# KiCad board ButterStick.kicad_pcb (continued)
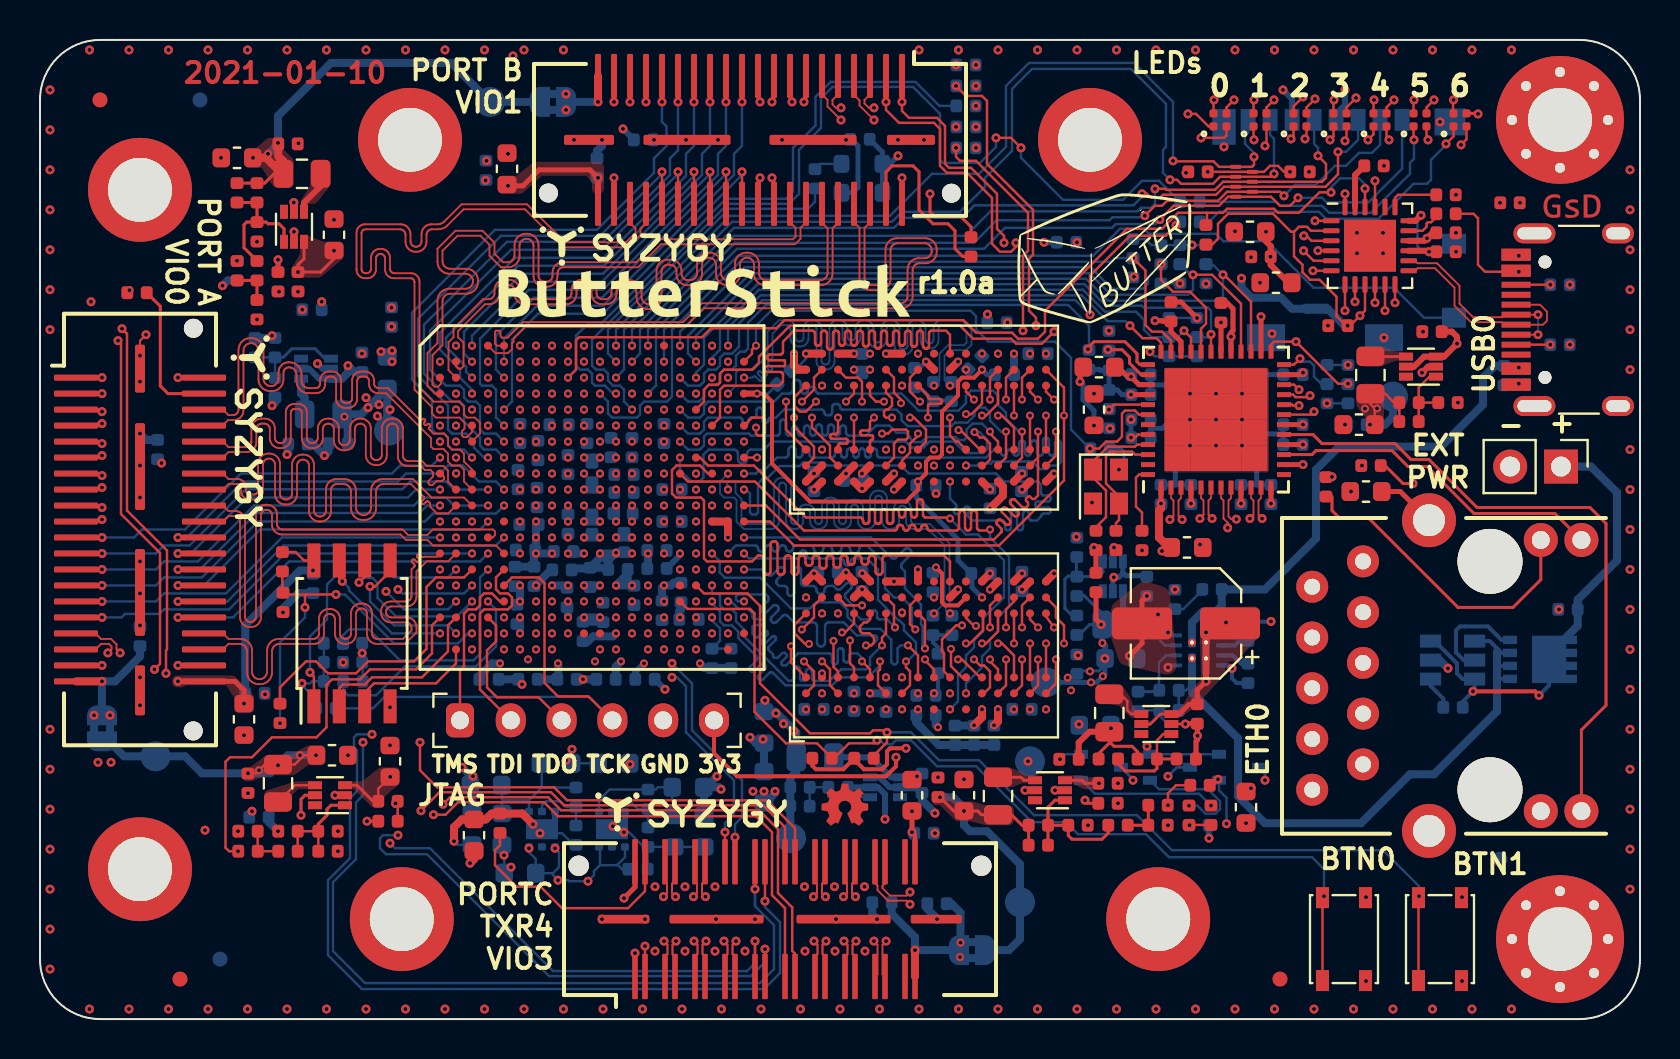
[diagram p0: board, top side]
## Routing (per net, layer and track width the routed paths; a pad name or vN(x,y) marks a point on that pad's centre or on a via; arc(x,y) is an arc through that point) (continued)
Net-(CON1-Pad15): length 32.8
  Top w0.15: 77.07,10.4 77.07,14.47 78.3,15.7 78.3,24.8 77.5,25.6 71.85,25.6 69.45,28 68.55,28 67.75,28.8 64.1,28.8 63.65,29.25 U2.17
Net-(D1-Pad1): length 13.7
  Top w0.12: D1.1 58.43,44.67 57.8,45.3 57.38,45.3 v1(57.4,45.3)
  In5.Cu w0.12: v1(46.8,46.7) 50.05,46.7 50.45,47.1 56.6,47.1 57.4,46.3 v1(57.4,45.3)
  Bottom w0.12: 46.78,46.7 v1(46.8,46.7)
Net-(D2-Pad1): length 19.7
  Top w0.12: D2.1 60.68,44.02 v1(60.7,44)
  In5.Cu w0.12: v1(60.7,44) 60.05,43.35 60.05,42.1 59.35,41.4 56.5,41.4 55.95,41.95 55,41.95 54,40.95 51.05,40.95 48.2,43.8 48.2,44.95 47.45,45.7 v1(46.8,45.7)
  Bottom w0.12: 46.78,45.7 v1(46.8,45.7)
Net-(D3-Pad1): length 19.7
  Top w0.12: D3.1 62.68,44.17 v1(62.55,44.05)
  In5.Cu w0.12: v1(46.8,47.75) 47.4,47.75 47.8,47.35 62.2,47.35 62.55,47 v1(62.55,44.05)
  Bottom w0.12: 46.78,47.75 v1(46.8,47.75)
Net-(D4-Pad1): length 21.7
  Top w0.12: v1(64.5,44) 64.68,44.17 D4.1
  In5.Cu w0.12: v1(46.8,44.65) 46.8,44.33 47.54,43.59 48.01,43.59 51,40.6 55.6,40.6 56.15,41.15 59.45,41.15 61.4,43.1 63.1,43.1 64,44 v1(64.5,44)
  Bottom w0.12: 46.78,44.65 v1(46.8,44.65)
Net-(D5-Pad1): length 23.8
  Top w0.12: v1(66.4,44) 66.68,44.27 D5.1
  In5.Cu w0.12: v1(46.8,43.6) 47.1,43.3 47.95,43.3 50.9,40.35 54.5,40.35 55.05,39.8 55.43,39.8 55.62,39.98 55.62,40.18 56.33,40.9 59.55,40.9 61.45,42.8 65.2,42.8 v1(66.4,44)
  Bottom w0.12: 46.78,43.6 v1(46.8,43.6)
Net-(D6-Pad1): length 14
  Top w0.12: D6.1 68.68,44.02 v1(68.7,44)
  Bottom w0.12: v1(68.7,44) 68.7,43.05 68.5,42.85 68.5,42.3 66.55,40.35 64.45,40.35 64.1,40.7 62,40.7 61.8,40.9 R42.2
Net-(D7-Pad1): length 15.9
  Top w0.12: D7.1 70.68,44.17 v1(70.3,43.8)
  Bottom w0.12: R44.2 58.45,39.9 58.95,40.4 63.95,40.4 64.3,40.05 66.93,40.05 68.68,41.8 69.35,41.8 69.55,42 69.55,43 70.3,43.75 v1(70.3,43.8)
Net-(J1-PadA5): length 1.6
  Top w0.12: 73.94,33.75 v1(75.51,33.75)
Net-(J1-PadB5): length 1.6
  Top w0.12: 73.94,36.75 v1(75.51,36.75)
Net-(L3-Pad1): length 2
  Bottom w0.3: U7.4 54.14,20.58 L3.1
Net-(L4-Pad1): length 2.3
  Top w0.12: U8.4 54.56,15.26 54.37,15.46 54.37,15.91 54.03,16.25 L4.1
Net-(L5-Pad1): length 1.8
  Top w0.15: L5.1 66.54,33.15 U9.4
Net-(L6-Pad1): length 1.9
  Bottom w0.4: L6.1 13.23,31.12 13.05,31.3 U10.4
Net-(L7-Pad1): length 2.2
  Top w0.12: U13.4 12.74,11.7 L7.1
Net-(L8-Pad1): length 2.6
  Top w0.15: 14.04,41.94 L8.1
  Top w0.3: L8.1 14.04,41.69 13.2,40.85 U14.4
Net-(L9-Pad1): length 2.1
  Top w0.15: U15.4 49.2,11.95 49.05,12.1 L9.1 48.05,12.25
Net-(L10-Pad1): length 3.7
  Bottom w0.3: U6.4 42.55,12.1 41.55,13.1 L10.1
Net-(Q4-Pad1): length 5.3
  Bottom w0.2: U19.5 71.19,17.96 70.8,18.35 70.8,19.45 71,19.65 72.4,19.65 73.07,18.97 73.5,18.97
Net-(R4-Pad2): length 2.6
  Top w0.12: R4.2 67.9,41.25 67.75,41.1 U1.19
Net-(R5-Pad1): length 1.9
  Top w0.12: R5.1 69.81,40.14 69.56,39.88 69.4,39.88 69.32,39.81 69.32,39.65 69.12,39.45 U1.17
Net-(R30-Pad1): length 3.4
  Top w0.12: U2.48 54.95,27.25 54.8,27.1 54.8,25.65 55.1,25.35 55.1,24.53
Net-(R52-Pad2): length 15.2
  Top w0.12: U4.R3 21.2,22.1 19.8,22.1 19.33,21.62 19.33,18.52 18.7,17.9 16.4,17.9 15.8,17.3 14.4,17.3 13.8,17.9 13.3,17.9 12,16.6 R52.2
Net-(R54-Pad1): length 1.4
  Bottom w0.12: R54.1 39.01,42.8 X1.3
Net-(R60-Pad1): length 3.3
  Bottom w0.12: U16.2 28.6,10.7 28.8,10.9 29.5,10.9 29.88,10.51 R60.1 R73.2
Net-(R68-Pad1):
  vias: v2(46.3,32.5)
Net-(R72-Pad1): length 3.6
  Top w0.2: U12.L8 45.9,20.7 45.25,20.7 45.1,20.85 45.1,22.3 v2(44.8,22.6)
  Bottom w0.3: v2(44.8,22.6) 44.65,22.45 R72.1
Net-(R74-Pad1): length 3.1
  Bottom w0.12: R90.2 R74.1 26.28,10.61 26,10.9 25.3,10.9 25.1,10.7 U17.2
Net-(R91-Pad1): length 4.6
  Bottom w0.12: U18.5 56.25,18.7 56,18.95 56,19.76 R92.2 57.16,20.51 58.12,21.46 58.12,21.5
Net-(R95-Pad1): length 3.5
  Bottom w0.12: R95.1 55.95,16.46 55.95,17.85 56.3,18.2 U18.4
  Bottom w0.15: R95.1 55.9,16.38 R96.2
Net-(R97-Pad2): length 1.4
  Bottom w0.2: U18.10 59.75,18.7 59.97,18.91 R97.2
unconnected-(J3-Pad37): length 1.3
  Top w0.12: J3.37 v1(3.1,17.7)
unconnected-(J3-Pad38): length 1.3
  Top w0.12: J3.38 v1(6.9,17.7)
unconnected-(J4-Pad37): length 1.3
  Top w0.12: J4.37 v1(28.7,45.9)
unconnected-(J4-Pad38): length 1.3
  Top w0.12: J4.38 v1(28.7,42.1)
unconnected-(U4-PadV3): length 0.2
  Top w0.1: v2(21.6,20.1) 21.6,19.95
unconnected-(U4-PadY3): length 0.1
  Top w0.1: v2(21.6,18.5) 21.6,18.35

## Copper pours and planes (outline as drawn; the poured copper is in the pictures)
+1V2 on Top: 67.2,29.3 66.3,29.3 66.3,30.05 65.8,30.7 65.8,31.8 67.2,31.8
+1V2 on Bottom: 68.32,30.1 67.4,29.42 66.05,29.42 66.05,30.85 67.12,31.25 68.38,31.25
+2V5 on Bottom: 37,15.9 38.4,13.9 38.4,12.3 37.8,12.3 37.8,10.4 38.2,9.95 38.45,9.05 38,8.05 36.15,7.05 35.45,6.65 35.5,5.2 34.9,4.3 29.2,4.3 27.7,6.6 24.3,6.6 24.3,7.75 24.1,8.05 24.1,8.8 29.6,8.8 29.6,8.45 29.8,8.1 29.8,5.7 33.8,5.7 34.8,7.8 36.3,8.95 37.3,10.05 37.3,13.8 36.6,15 35.7,15 35.7,16.2 36.3,16.2
+2V5 on In3.Cu: 29.6,6.6 24.1,6.55 24.1,8.8 29.6,8.8
+2V5 on In4.Cu: 31.5,23.9 35.4,23.9 36.7,22.25 36.7,15.65 35.9,15.65 35.9,21.45 35.5,21.9 31.7,21.9 30.9,22.9 23.7,22.9 23.7,30 31.5,30
+3V3 on Top: 10.7,16.2 10.7,15.3 9.7,15.3 9.7,16.1 9.3,16.7 7.3,16.7 7.1,16.6 6.6,16.6 6.6,17.2 9.7,17.2
+3V3 on Top: 28.2,41.3 27.6,41.3 27.6,41.9 27.3,42.2 25.1,42.2 24.1,41.3 22.9,41.3 22.9,42.2 23.8,42.2 24.7,42.9 28.2,42.9
+3V3 on In3.Cu: 79.95,0 -0.05,0 -0.05,49 79.95,49
+5V on Top: 14.2,38.9 15.2,38.9 15.2,38.1 14,37.1 12.6,37.1 12.6,37.6 13,38.3 13,39.2 13.4,39.2
+5V on Top: 58.16,16.06 58.16,15.46 57.56,15.46 56.97,15.06 56.26,15.06 56.26,15.46 56.87,15.46 57.16,15.76 57.56,16.46 58.05,17 58,18.9 58,20.6 60.95,20.65 61,19.2
+5V on Top: 52.3,12.1 53.2,12.1 53.2,11.5 52.2,11.5 51.6,11.8 50.9,11.8 50.9,12.2 52.1,12.2
+5V on Top: 18,11.8 17.2,11.1 17.2,10.6 16.6,10.6 15.7,11.5 14.9,11.5 14.9,11.9 16.1,11.9 17,12.6 18,12.6
/sheetFPGA/VDDA on Bottom: 32.35,21.55 31.8,21.55 31.45,21.25 31.45,20.65 30.75,20.65 30.75,21.3 30.9,21.8 31.75,22.15 32.35,22.15
/sheetFPGA/VDDA on Bottom: 34.4,11.85 34.35,11.2 33.8,10.95 33.7,9.8 32.7,9.75 32.7,11.9 33.4,12.45 33.95,12.45
/sheetFPGA/VDDA on In3.Cu: 29.9,22.9 31.6,22.9 31.6,20.5 34,20.5 34,19.7 35.4,19.6 37.7,14.1 44.7,10.3 46.1,8.8 46.1,5.75 46.9,4.85 46.9,2.55 45.45,1.9 26.9,1.95 25.9,3.3 26,6 22.2,6.1 20.7,7.6 20.6,10.7 20.6,18.2 22,19.1 22,23.7 25.9,23.7 25.9,22.9 27.7,22.9 27.7,23.7 29.9,23.7
/sheetFPGA/VDDAUXA on Bottom: 29.7,22.45 30.05,21.95 30.05,21.4 29.45,21.4 28.6,21.5 28.6,21.8 29.05,22.25 29.05,22.8 29.7,22.85
/sheetFPGA/VDDAUXA on Bottom: 34.35,19.45 34.85,18.8 34.85,18.25 33.35,18.25 33,18.8 32.25,18.8 32.25,20.35 33.85,20.35
/sheetFPGA/VDDAUXA on In4.Cu: 35.3,21.75 35.75,21.3 35.75,15.55 36.65,15.55 36.65,13.6 34.95,13.6 34.65,16.05 32.4,16.65 28.85,17.15 26.3,18.75 26.25,20.3 30.1,20.3 30.1,21.2 31.05,21.2 31.05,21.5 31.6,21.8
/sheetFPGA/VDDRX on Bottom: 28.4,12.3 26.1,12.3 26.1,13.3 28.4,13.3
/sheetFPGA/VDDRX on In4.Cu: 26.8,21.4 28.4,21.4 28.4,22 29.9,22 29.9,20.3 26.15,20.3 26.2,18.45 28,17.4 28,13.4 26.9,12.2 24.65,12.2 23.95,13.8 23.95,16 24.75,16.75 24.75,20.65 25.3,21.3 25.3,22 26.8,22
/sheetFPGA/VDDTX on Bottom: 22.05,12.25 22.05,9.85 21.1,9.85 21.1,11.95 20.65,12.55 20.65,12.95 21.7,12.95
/sheetFPGA/VDDTX on In4.Cu: 30.9,21.3 30.1,21.3 30.1,22.1 28.3,22.1 28.3,21.5 26.9,21.5 26.9,22.1 25.1,22.1 25.1,21.3 24.55,20.7 24.55,16.75 23.4,15.95 23.4,13.4 22.55,11.65 21.55,11.6 19.33,12.45 19.08,16.25 20.5,18 20.5,20.25 23.05,22.8 30.9,22.8
GND on Top: 56.45,21.55 56.6,20.35 56.9,17.1 54,17.75 53.55,19.1 53.55,20.7 55.15,21.95
GND on Top: 61.45,27.35 56.2,27.35 56.2,32.6 61.45,32.6
GND on Bottom: 67.45,38 65.55,38 65.55,39.65 67.45,39.65
GND on Bottom: 31.1,9.35 33.95,9.35 33.95,7.5 31.15,7.5 31.15,6.9 30,6.9 30,8.95 27.25,8.95 27.25,8.35 26.35,8.35 26.35,8.95 23.95,8.95 23.95,6.6 22.5,6.6 20.35,8.45 20.35,9.35 23.55,9.35 24.2,10 30.3,10
GND on Bottom: 37,11.35 36.7,11 36.7,10.4 35.7,10.4 35.7,10.9 35.4,11.2 35.4,11.65 37,11.65
GND on Bottom: 25.15,24 25.25,23.55 25.8,23.55 25.8,23.05 25.55,23.05 25.05,22.95 25.05,22.35 23.4,22.35 23.4,22.95 24.55,23 24.6,25.05 25.15,25.05
GND on Bottom: 29.7,23.05 29.05,23.05 28.7,22.8 28.7,22.2 28.15,22.2 27.8,22.25 26.3,22.25 26.3,22.9 27.45,22.9 27.75,23.1 27.75,23.65 29.7,23.65
GND on Bottom: 62.6,26.4 55.2,26.4 55.2,32.8 62.6,32.8
GND on In1.Cu: 80,0 0,0 0,49 80,49
GND on In4.Cu: 80,0 0,0 0,49 80,49
GND on In6.Cu: 80,0 0,0 0,49 80,49
/SYZYGY0.VIO1 on In3.Cu: 25.1,23.8 21.8,23.8 21.8,21.45 19.15,21.05 19.15,18.8 18.2,18.4 12.25,18.4 12.15,16.95 11.55,16.5 9.7,16.4 7,14.7 1.45,14.75 1.55,33.45 4,35.7 6,35.5 7.25,35.65 11.3,35.65 12.75,33.75 15.85,33.05 18.65,31.15 19.4,28.5 19.5,26.05 25.1,26
/SYZYGY1.VIO1 on In3.Cu: 25.1,26.2 19.7,26.2 19.7,28.4 18.7,31.8 15.4,34 15.3,36.45 14.65,37.55 14.4,38.7 13.75,40.25 14.4,40.85 19.95,40.85 21.65,42.6 21.7,46.45 22.65,47.3 43.6,47.15 44.1,46.1 43.75,45 42.55,44.95 41.95,43.95 42,42.8 43,41 45.4,39.55 44.15,35.55 37.65,35.65 32.8,34.75 23.5,34.75 23.5,28.4 25.1,28.4
/SYZYGY2.VIO1 on In3.Cu: 28.25,31.8 27.55,31.8 27.53,29.5 24.5,29.5 24.5,30.2 23.7,30.2 23.7,34.65 28.25,34.65
/SYZYGY2.VIO1 on In4.Cu: 34.2,27.5 35.5,27.45 38.6,23.7 38.6,14.4 46.55,4.52 46.53,2.6 43.05,2.9 42.5,5.7 36.8,14.3 36.9,22.4 35.5,24.2 31.75,24.25 31.75,30.2 27.55,30.2 27.55,29.5 24.5,29.5 24.5,30.2 23.7,30.2 23.7,34 34.2,34
/SYZYGY-0-STD/VOUT on Top: 14.3,12.7 13.4,12.7 12.7,12.2 11.3,12.2 10.6,11.9 10.1,11.9 10.1,12.6 10.5,12.6 11.3,13.2 12.5,13.2 13.4,13.7 14.3,13.7
/SYZYGY-1-STD/VOUT on Top: 12.2,43.5 12.7,43 12.7,41.6 11.7,41.6 11.1,42.6 10.2,42.6 10.2,43.6 10.8,43.6 11.4,44.1 12.2,44.1
/SYZYGY-2-TXR4/VOUT on Top: 45.8,10.9 46.6,10.9 47.3,10.7 48.7,10.7 48.7,9.7 47.3,9.7 46.5,9.9 45.8,9.9 45,10.7 44.6,10.7 44.6,11.4 45.2,11.4
P_1.35_DRAM on Bottom: 53.6,18.9 53.7,18.5 53.7,17.4 52.9,16.6 52.4,16.6 51.5,16.1 50.2,16.1 50.2,17.6 52.1,17.6 52.8,17.8 52.8,18.6 52.6,19 52.6,20.5 53.6,20.5
P_1.35_DRAM on In3.Cu: 50.9,23.4 53.9,19.6 53.9,17.1 50.8,14.2 37.8,14.2 35.5,19.8 34.1,19.8 34.1,20.6 31.7,20.6 31.7,23 30.1,23 30.1,30 31.7,30 31.7,30.8 33.3,30.8 34.1,32.4 35.1,32.4 37.8,34.7 50.8,34.6
P_1V2_A on Bottom: 32.25,9.7 31.2,9.7 31.2,11.15 28.5,11.15 28.2,10.6 28.2,10.15 27.7,10.15 27.7,11.3 28.3,12 30.15,12 31.2,12.2 32.25,12.2
P_1V2_FPGA on Bottom: 17.85,30.6 18.25,29.25 17.65,28.65 16.1,28 15.75,28 15.35,28.45 15.05,28.45 15.05,29.05 14.6,29.6 14.6,30.95 15.5,30.95 16.1,31.45 16.9,31.95 17.85,31.95
P_1V2_FPGA on In4.Cu: 17.7,31.3 19.7,30.1 21.5,30.1 22.6,28.9 26,28.9 28.4,28.4 29.9,28.4 29.9,23.8 25.3,23.8 25.3,25.2 21.1,25.2 18.4,27.63 15.08,28.05 15.1,34 17.7,34
P_1V2_T on Bottom: 25.5,12.3 26.35,11.9 27.15,11.9 27.15,11.25 25.2,11.25 24.7,10.55 24.7,10.2 23.6,10.2 23.6,9.85 22.6,9.85 22.6,12.2 23.55,12.2 24.6,13.3 25.5,13.3
Net-(L3-Pad1) on Bottom: 54.35,21.45 54.55,20.95 55.45,20.4 55.45,19 54.5,19 54.5,19.8 53.95,20.45 53.95,21.7 54.35,21.7
Net-(L4-Pad1) on Top: 54.56,15.06 53.97,15.66 53.47,15.76 52.76,15.76 52.76,16.76 54.07,16.76 54.47,16.16 54.76,15.46 55.37,15.46 55.37,15.06
Net-(L5-Pad1) on Top: 67.75,33.4 68.7,33.35 68.65,32.95 67.8,32.95 67,32.65 65.8,32.65 65.8,33.65 67.15,33.65
Net-(L6-Pad1) on Bottom: 13.4,31.9 13.7,30.85 13.7,29.55 12.75,29.55 12.75,31 12.7,31.3 12.7,32.25 13.4,32.25
Net-(L7-Pad1) on Top: 14.1,11.5 12.9,11.5 12.6,11.2 12.6,10.4 11.2,10.4 11.2,11.4 12.8,11.9 14.1,11.9
Net-(L8-Pad1) on Top: 14.5,41.7 13.8,40.8 13.4,40.8 13.4,40.1 13,40.1 13,40.9 13.5,41.7 13.5,43 14.5,43
Net-(L9-Pad1) on Top: 49.4,12.2 50.1,12.2 50.1,11.8 49.1,11.8 48.6,11.6 47.2,11.6 47.2,12.6 48.5,12.6

## Text on the board
B.Silkscreen: VCCIO0 | FPGA_1v2 | VCCIO1 | 2v5 | 3v3 | 1v35 | VCCIO2 | SDMMC0 | 1v2 | r1.0
Top: 2021-01-10
F.Silkscreen: TMS | TDI | TDO | TCK | GND | 3v3 | JTAG | LEDs | BTN0 | EXT / PWR | BTN1 | - | + | PORT B / VIO1 | PORTC / TXR4 / VIO3 | ETH0 | USB0 | PORT A / VIO0 | r1.0a | 0 | 1 | 2 | 3 | 4 | 5 | 6
